# Altium PCB APP_1_PCB.PcbDoc (part 1 of 5)
Units mil, origin at the board's own origin, x right, y up, seen from the top; angles counter-clockwise.
Board outline 7580 x 10620 mil, 12 copper layers (L1_Signal, L2_GND, L3_Signal, L4_GND, L5_Power, L6_GND, L7_GND, L8_Power, L9_GND, L10_Signal, L11_GND, L12_Signal), stack 74.268 mil thick; 392 components, 345 nets, 2134 pads, 1131 vias.
Unrouted connection lines stored in the file: 428.
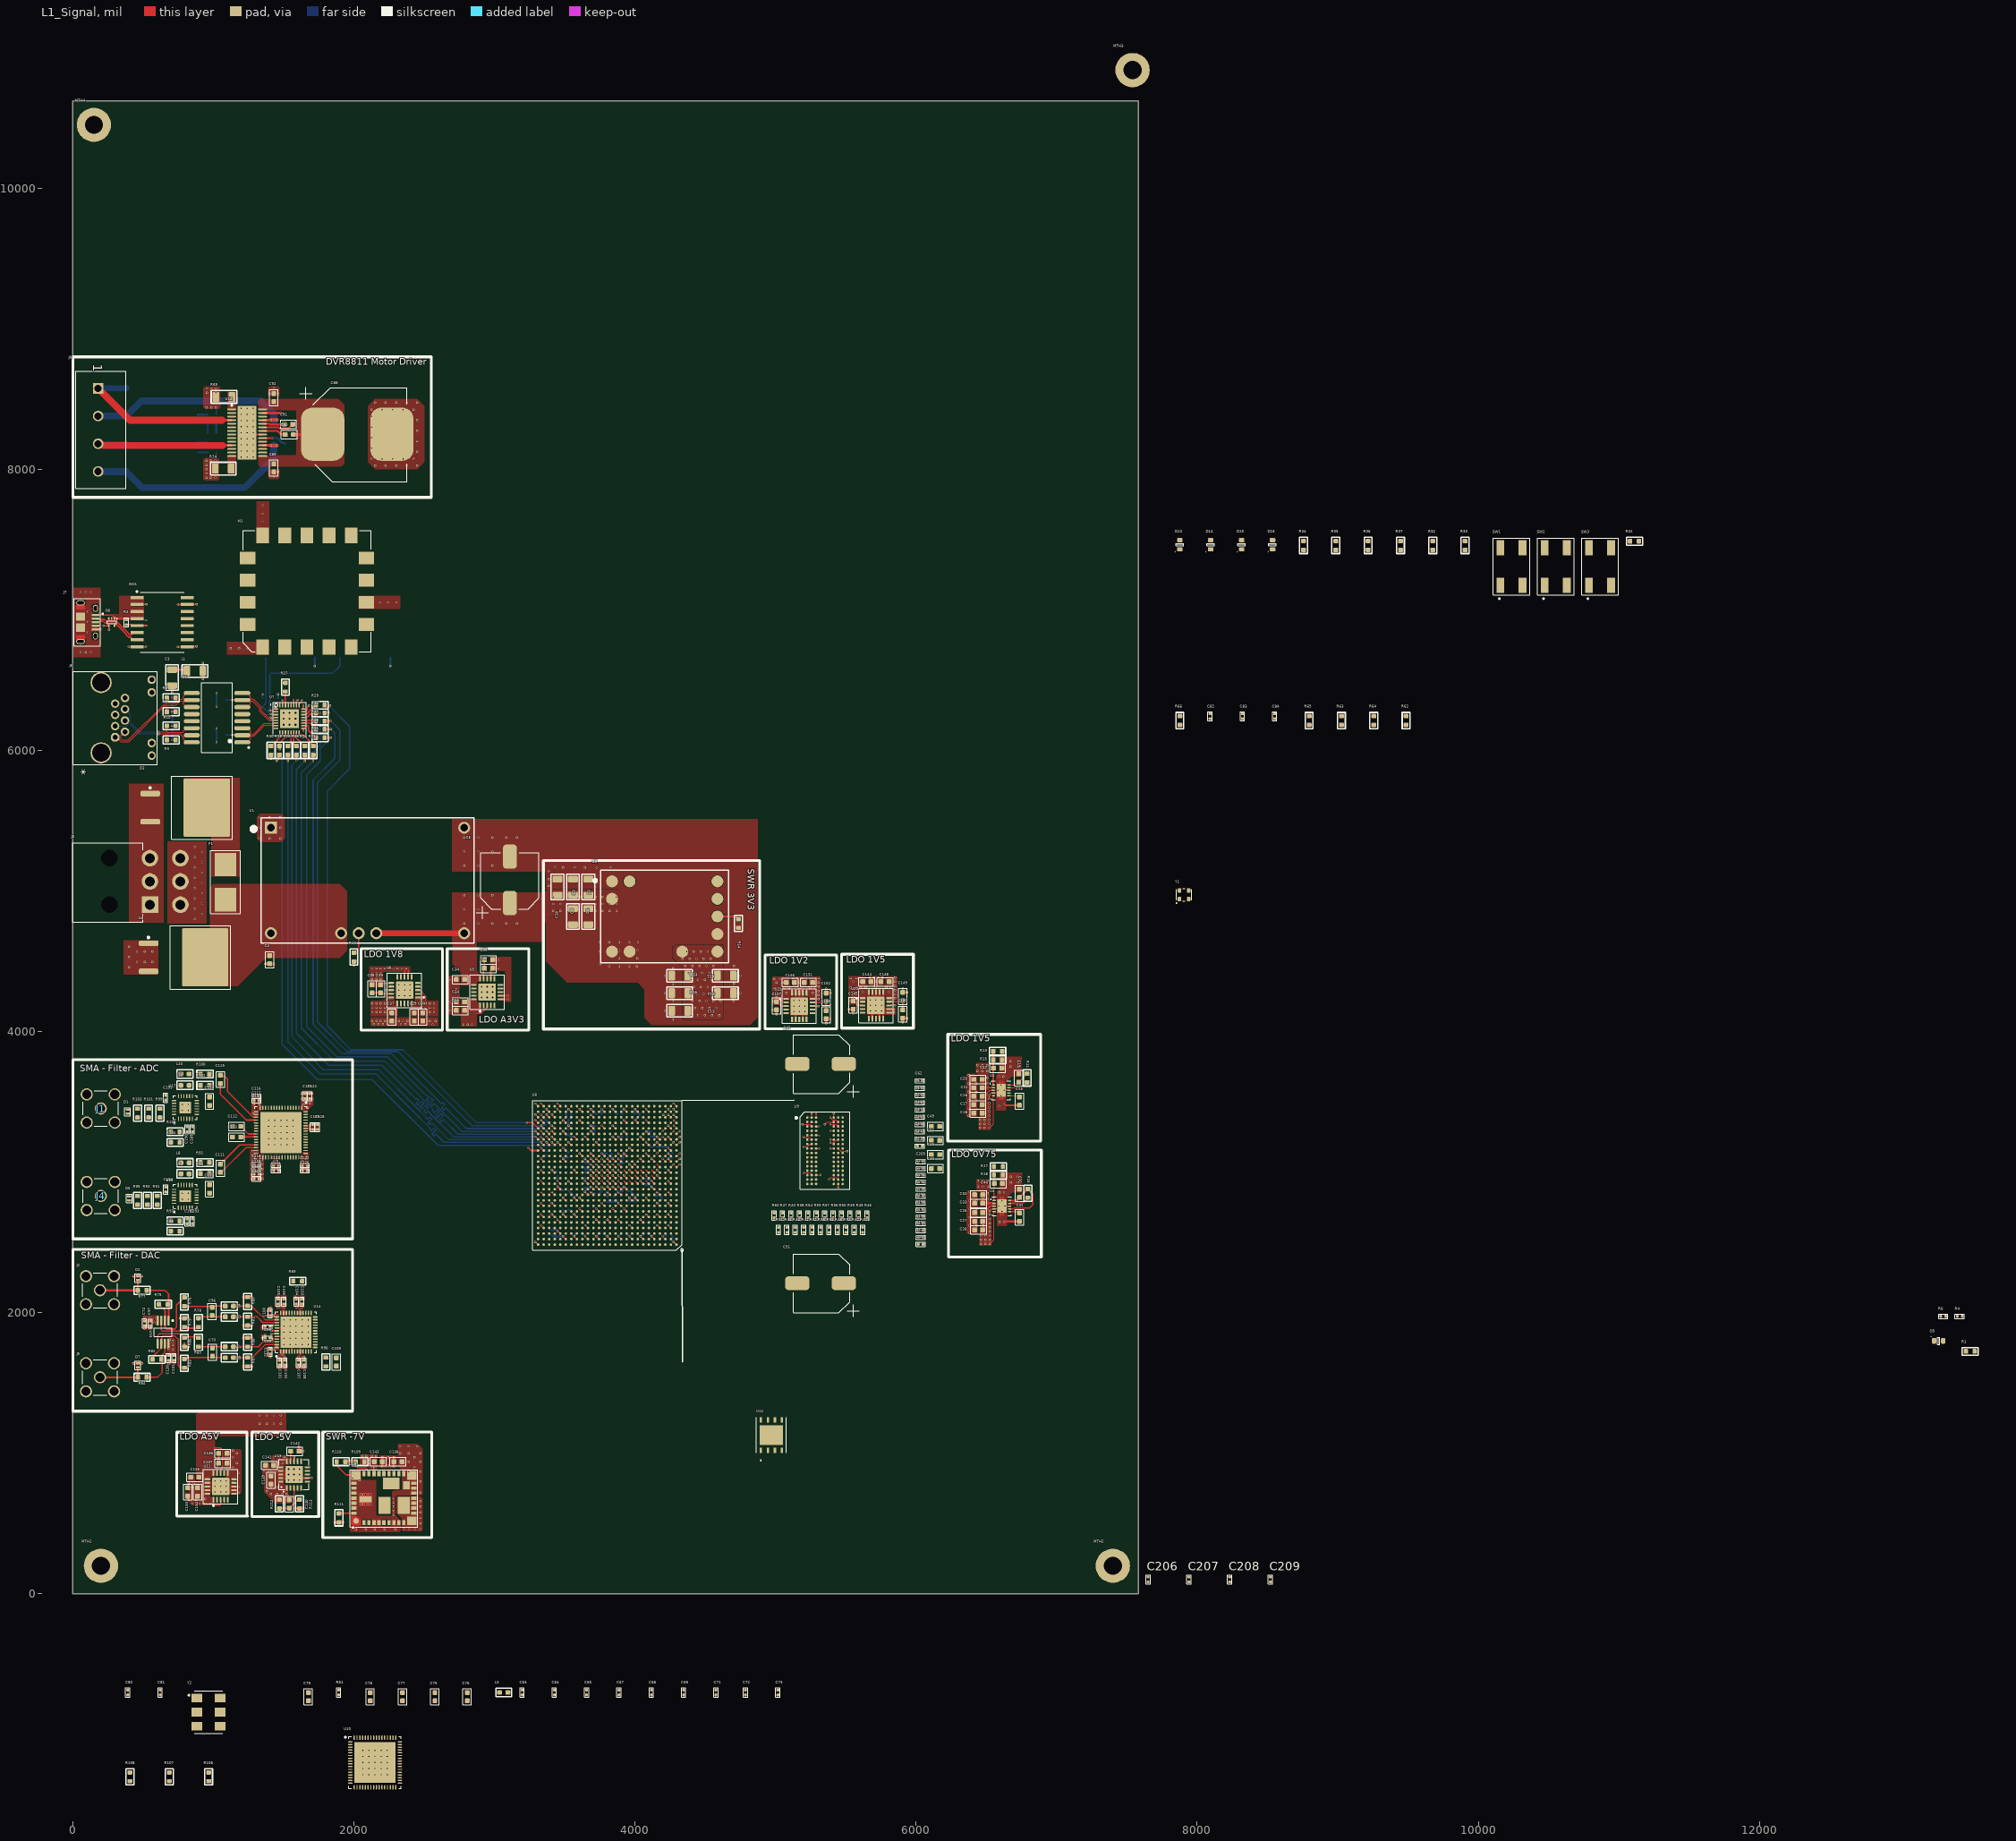
[diagram p0: L1_Signal view]
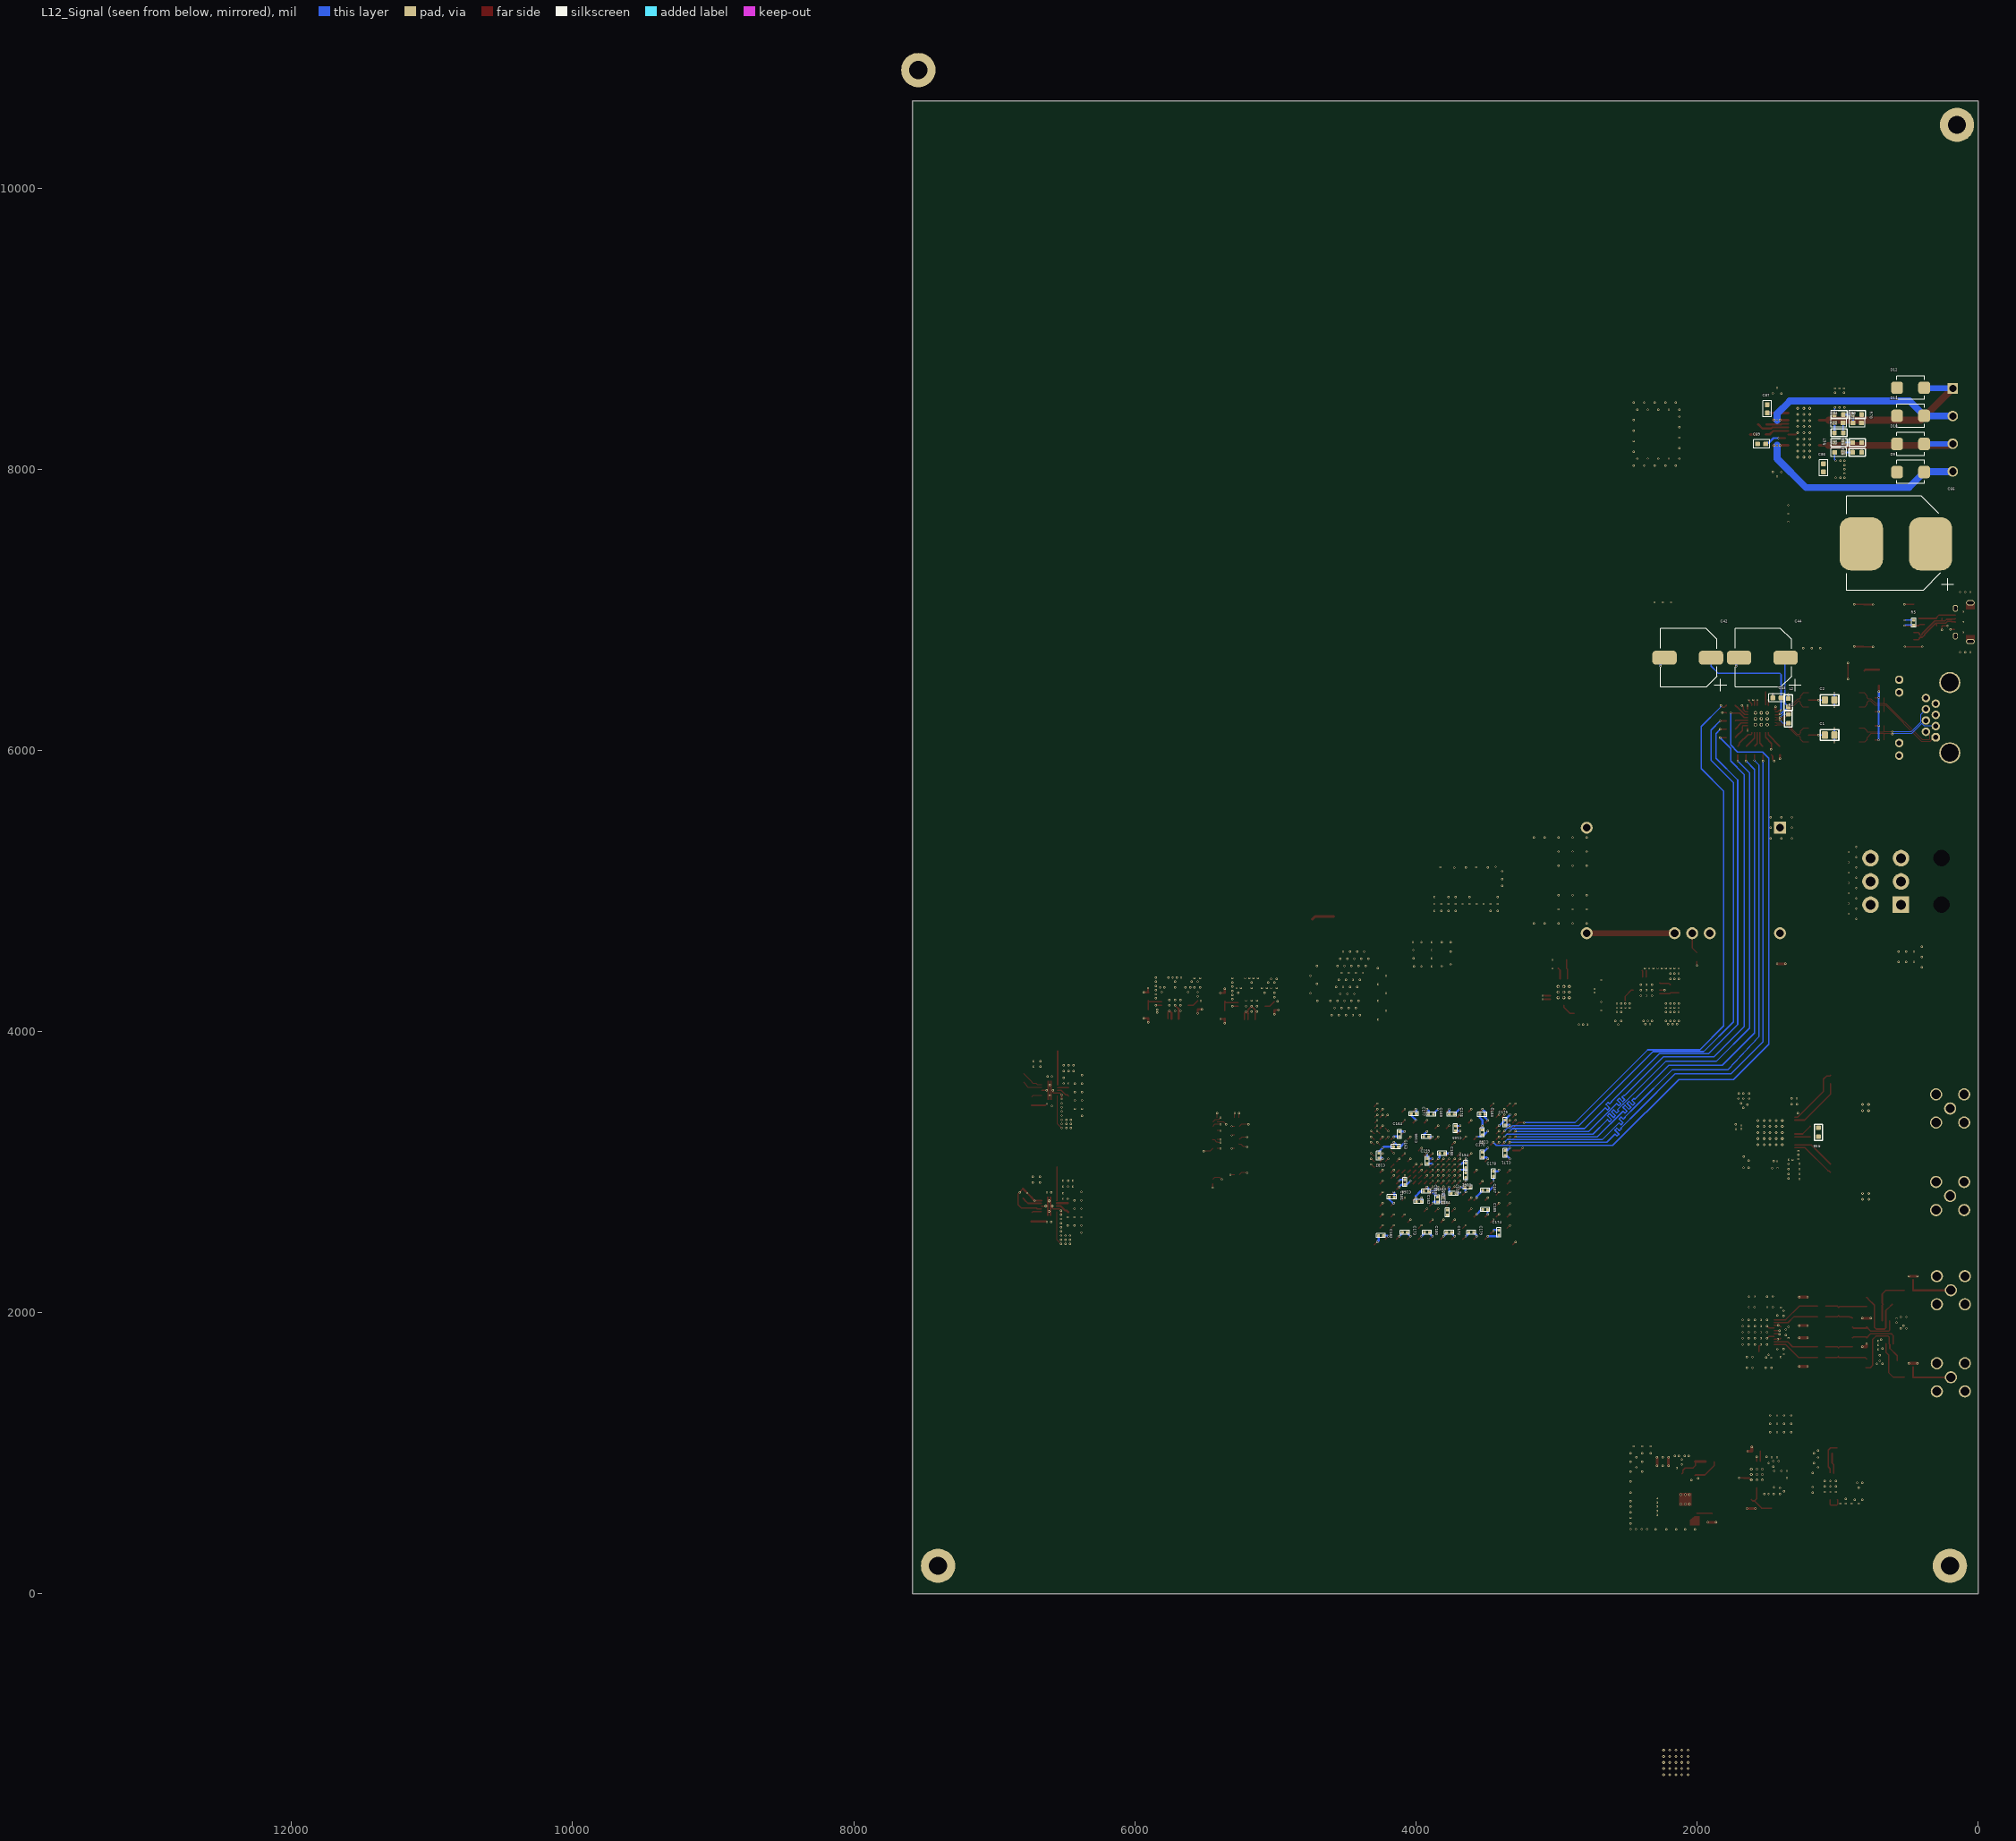
[diagram p1: L12_Signal view, seen from below]
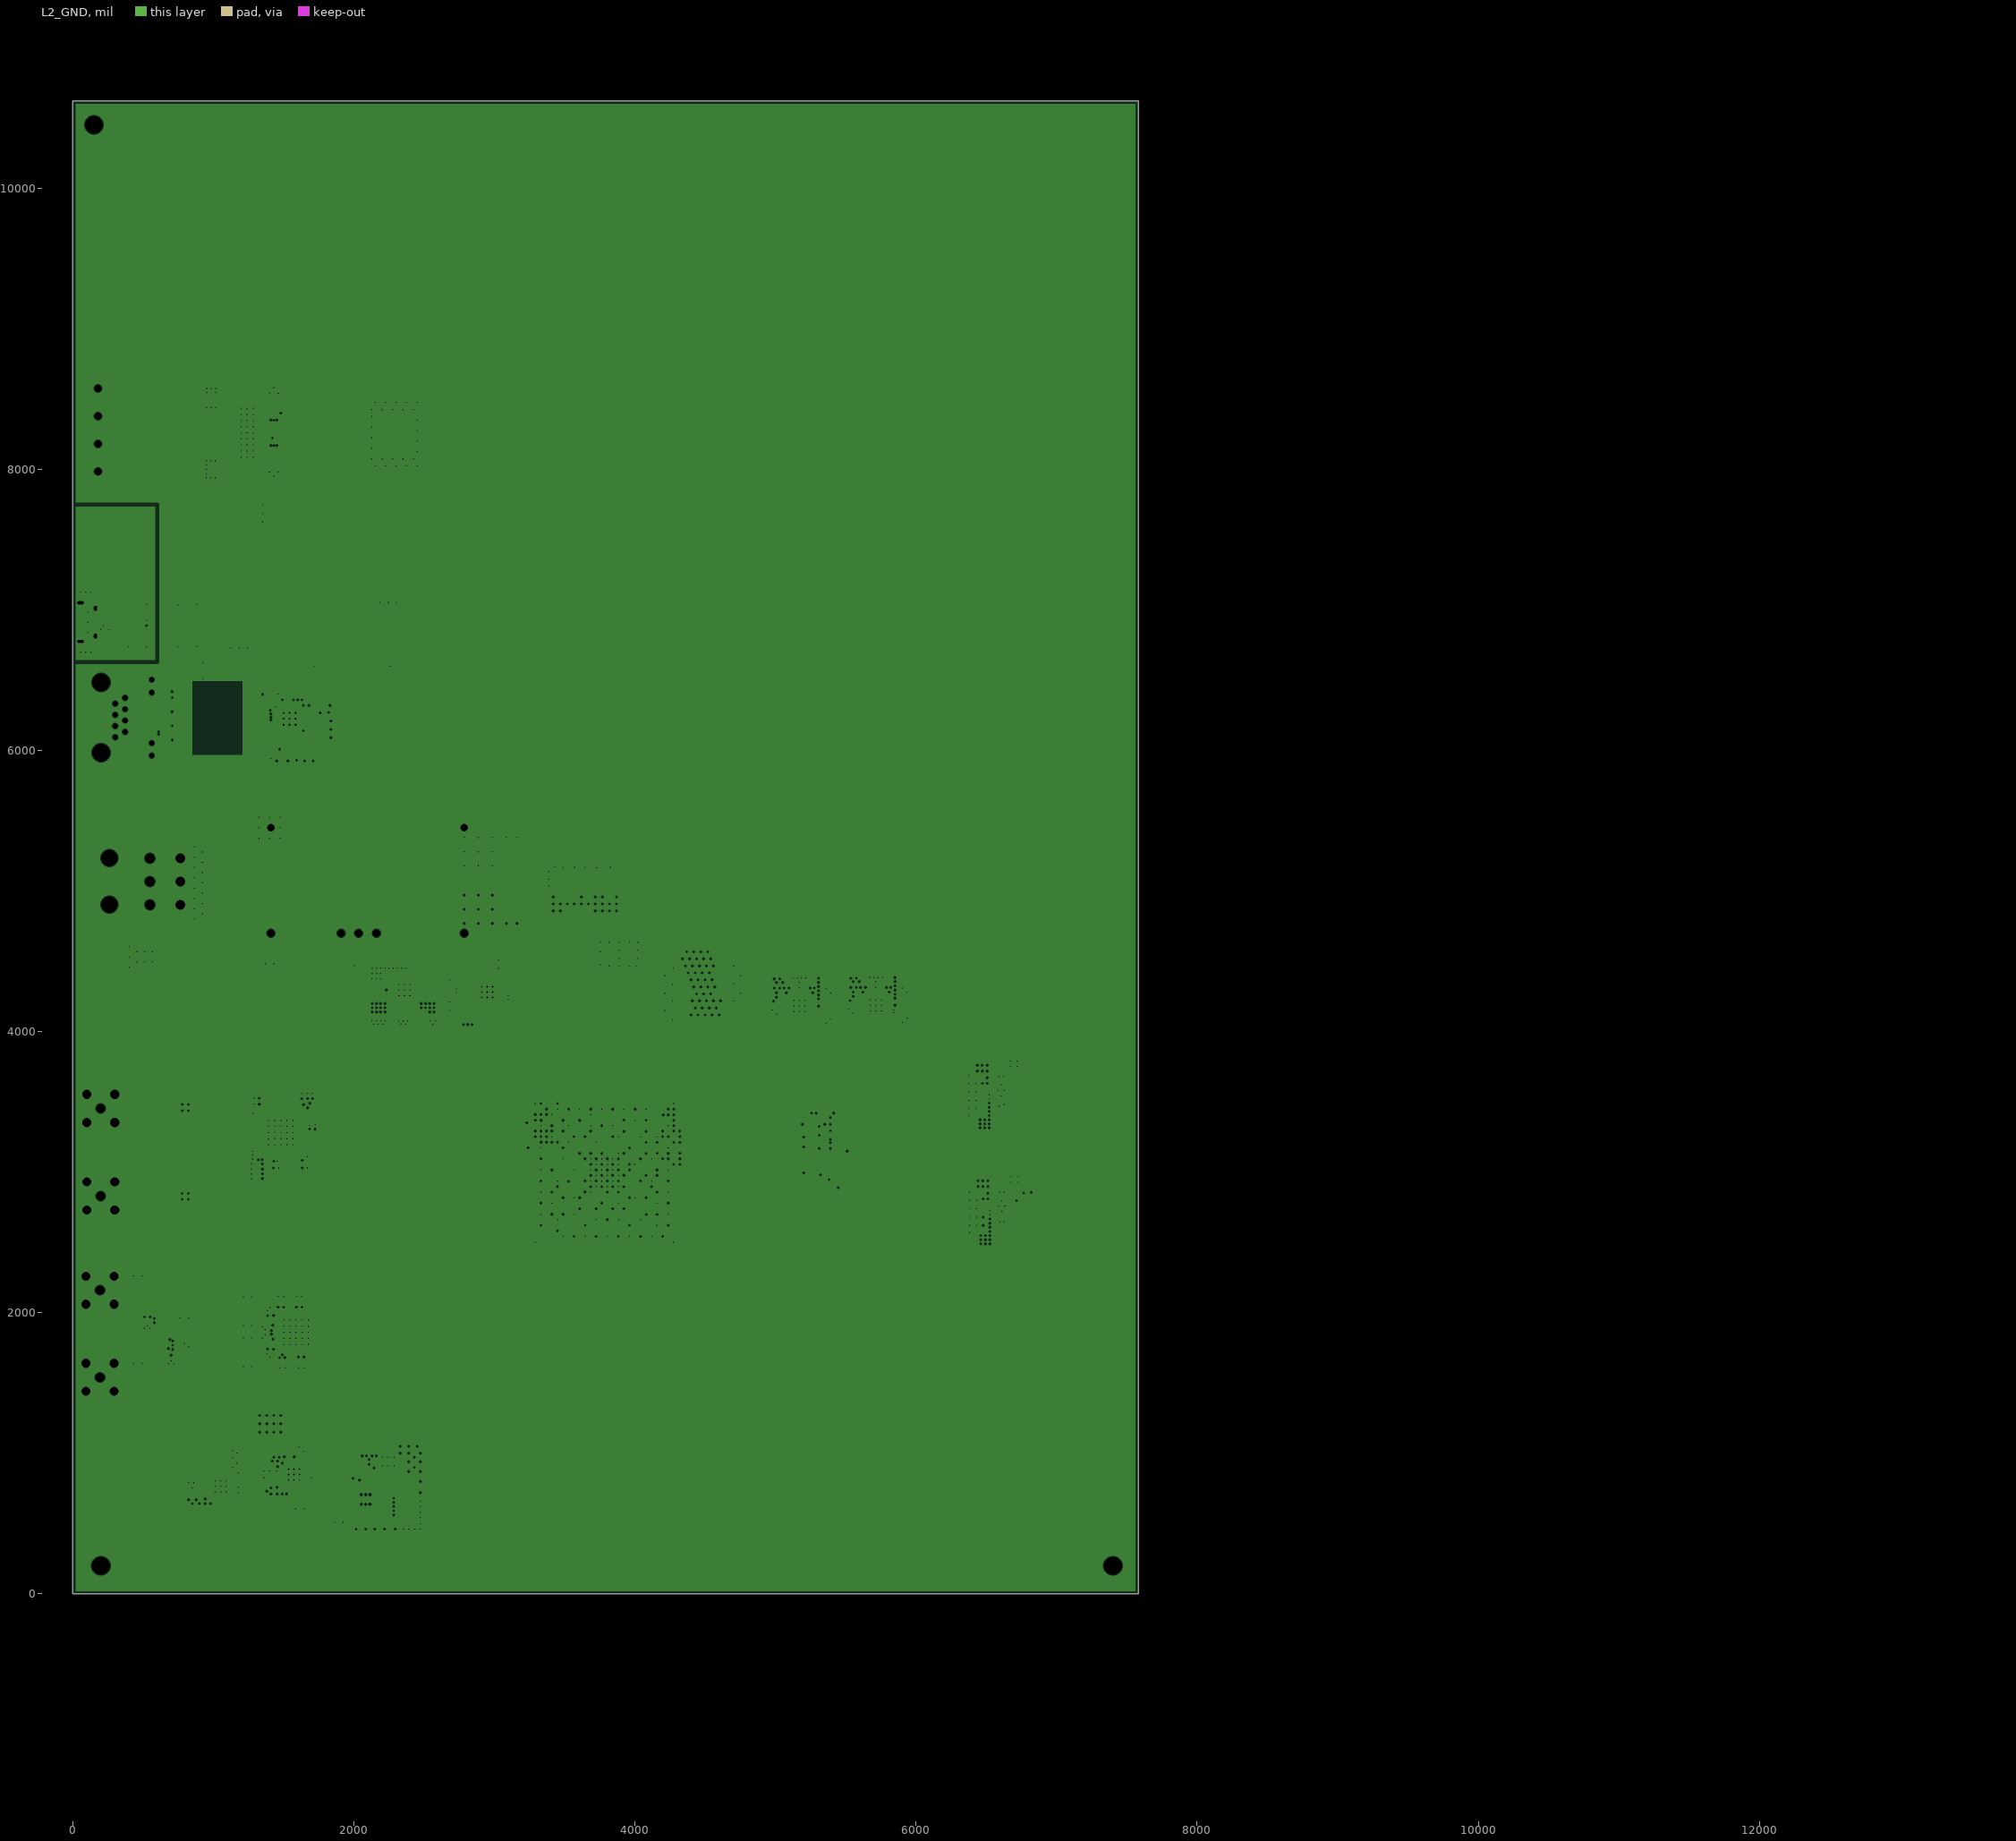
[diagram p2: L2_GND, clearances drawn from the general rule]
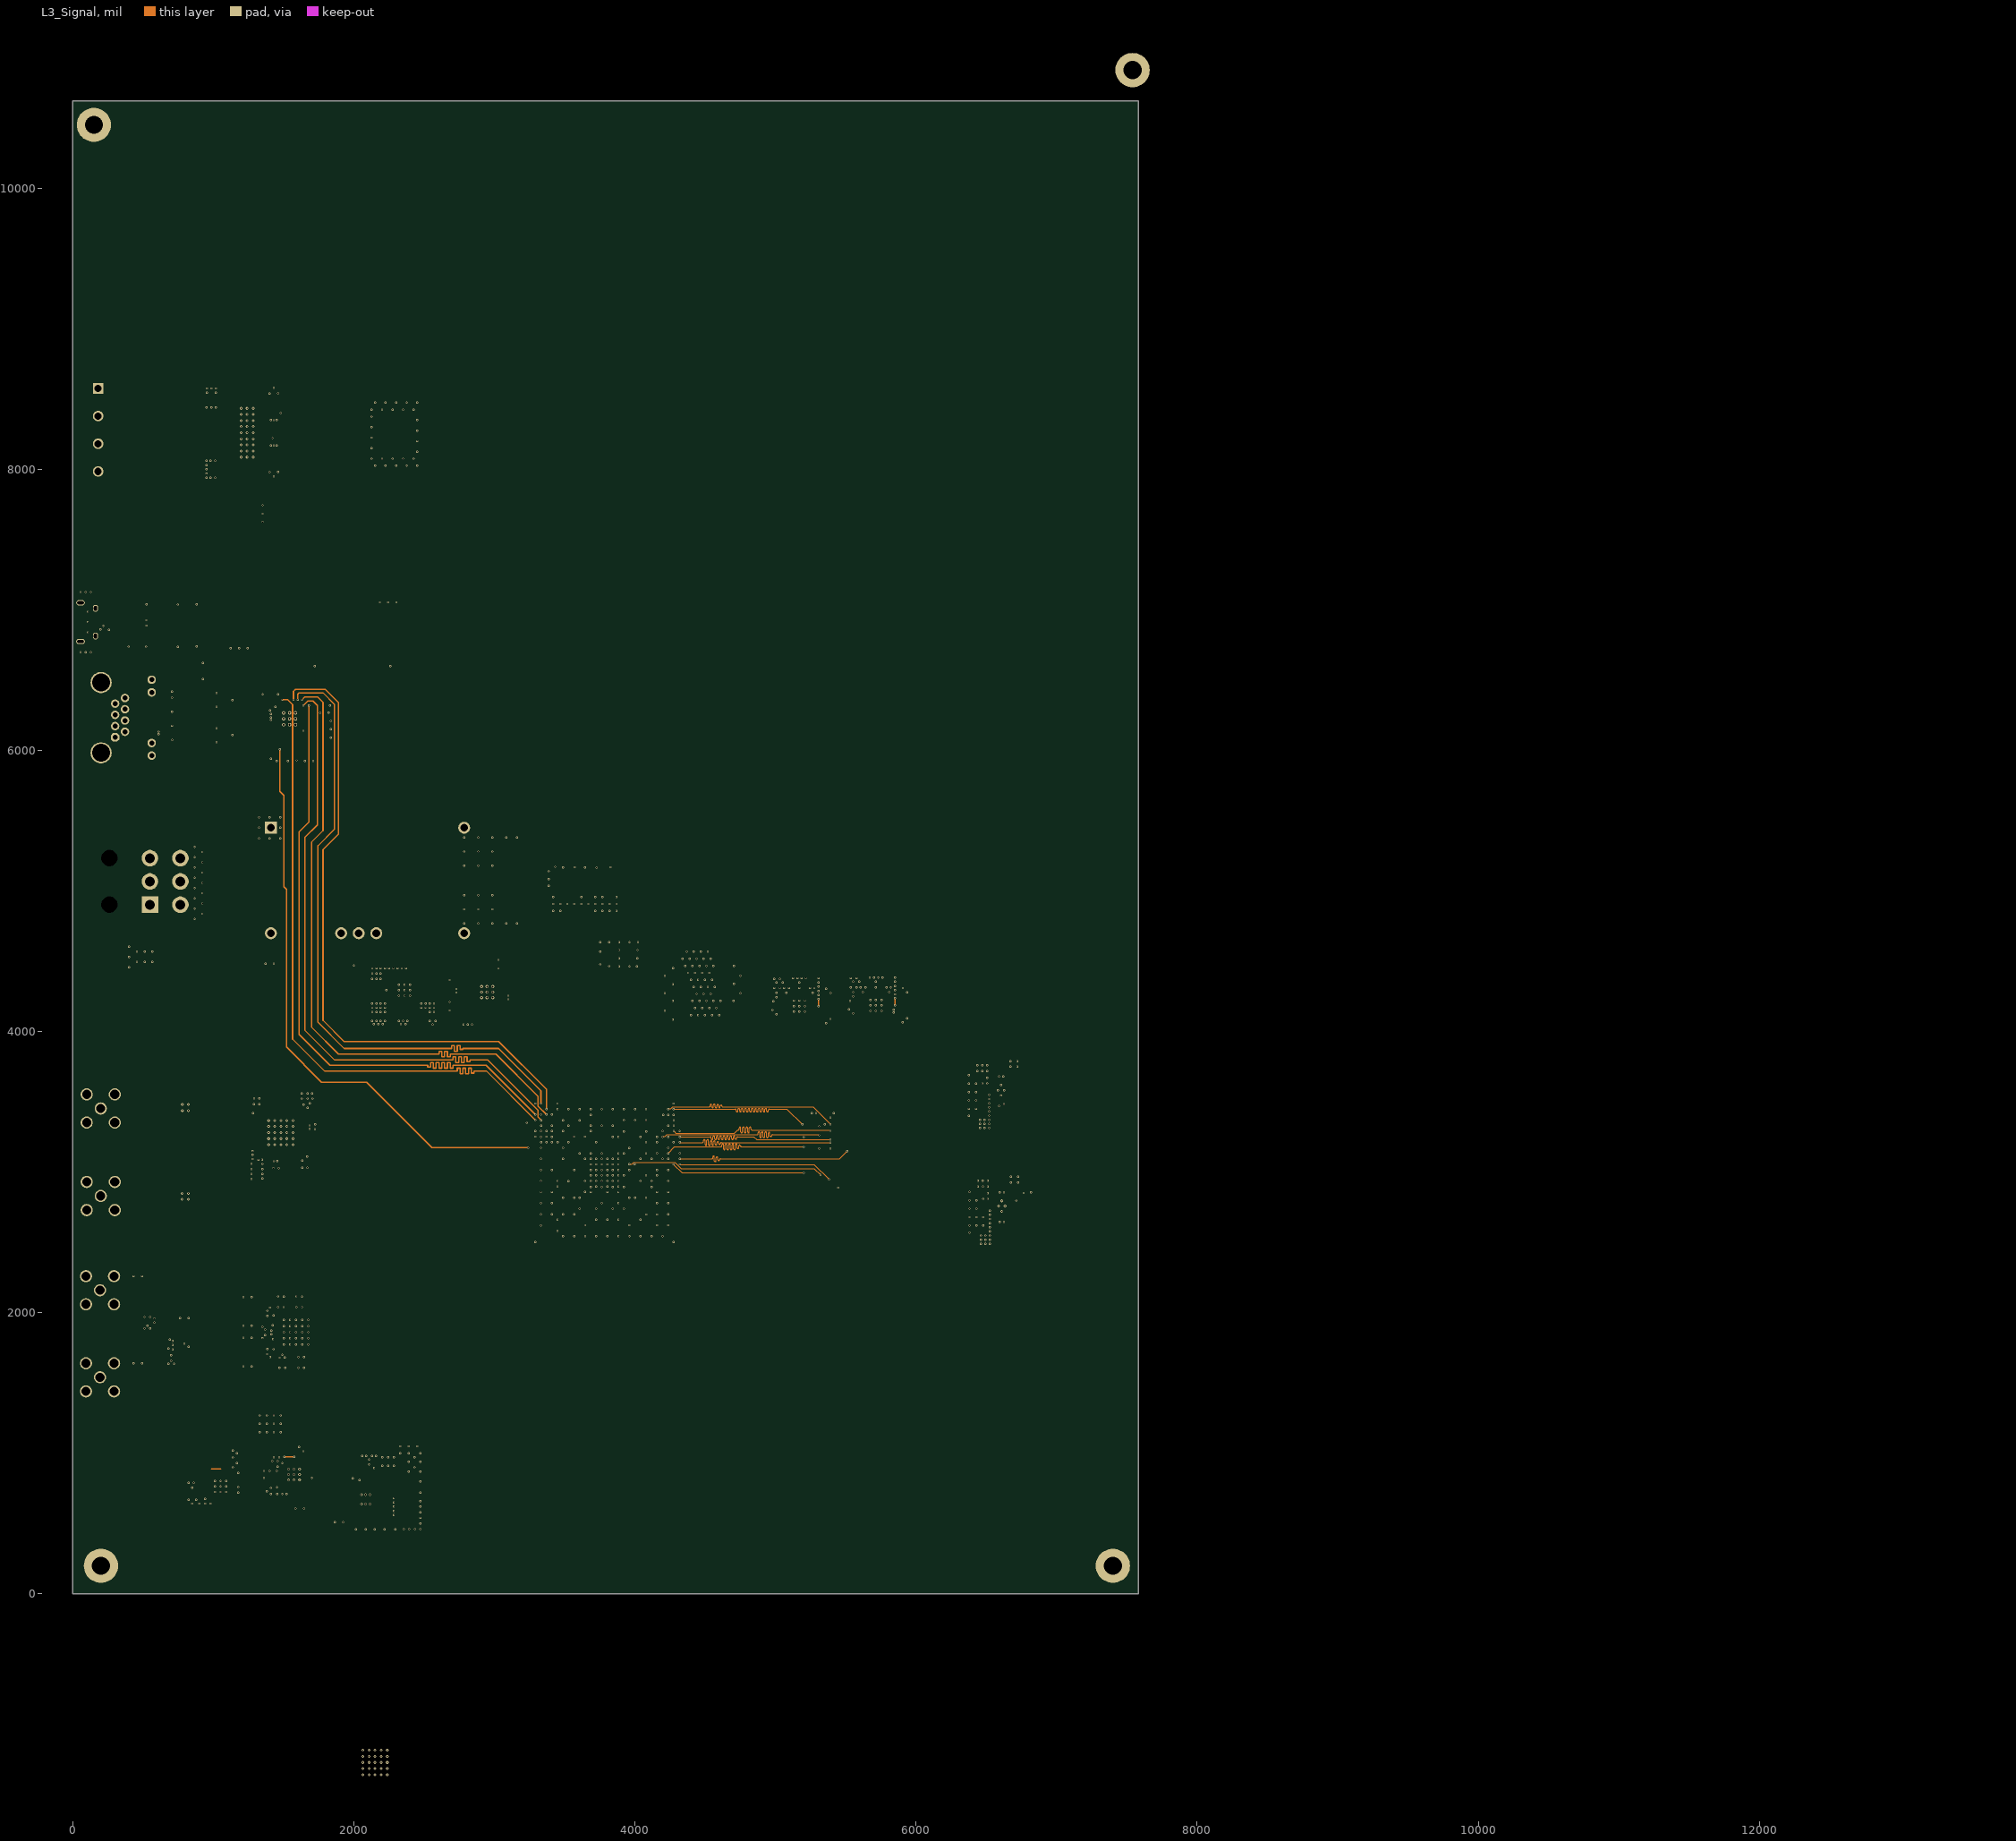
[diagram p3: L3_Signal]